# Altium PCB IT_Asset_Tracking_Rack_Controller-H743.PcbDoc (part 3 of 4) (continued)
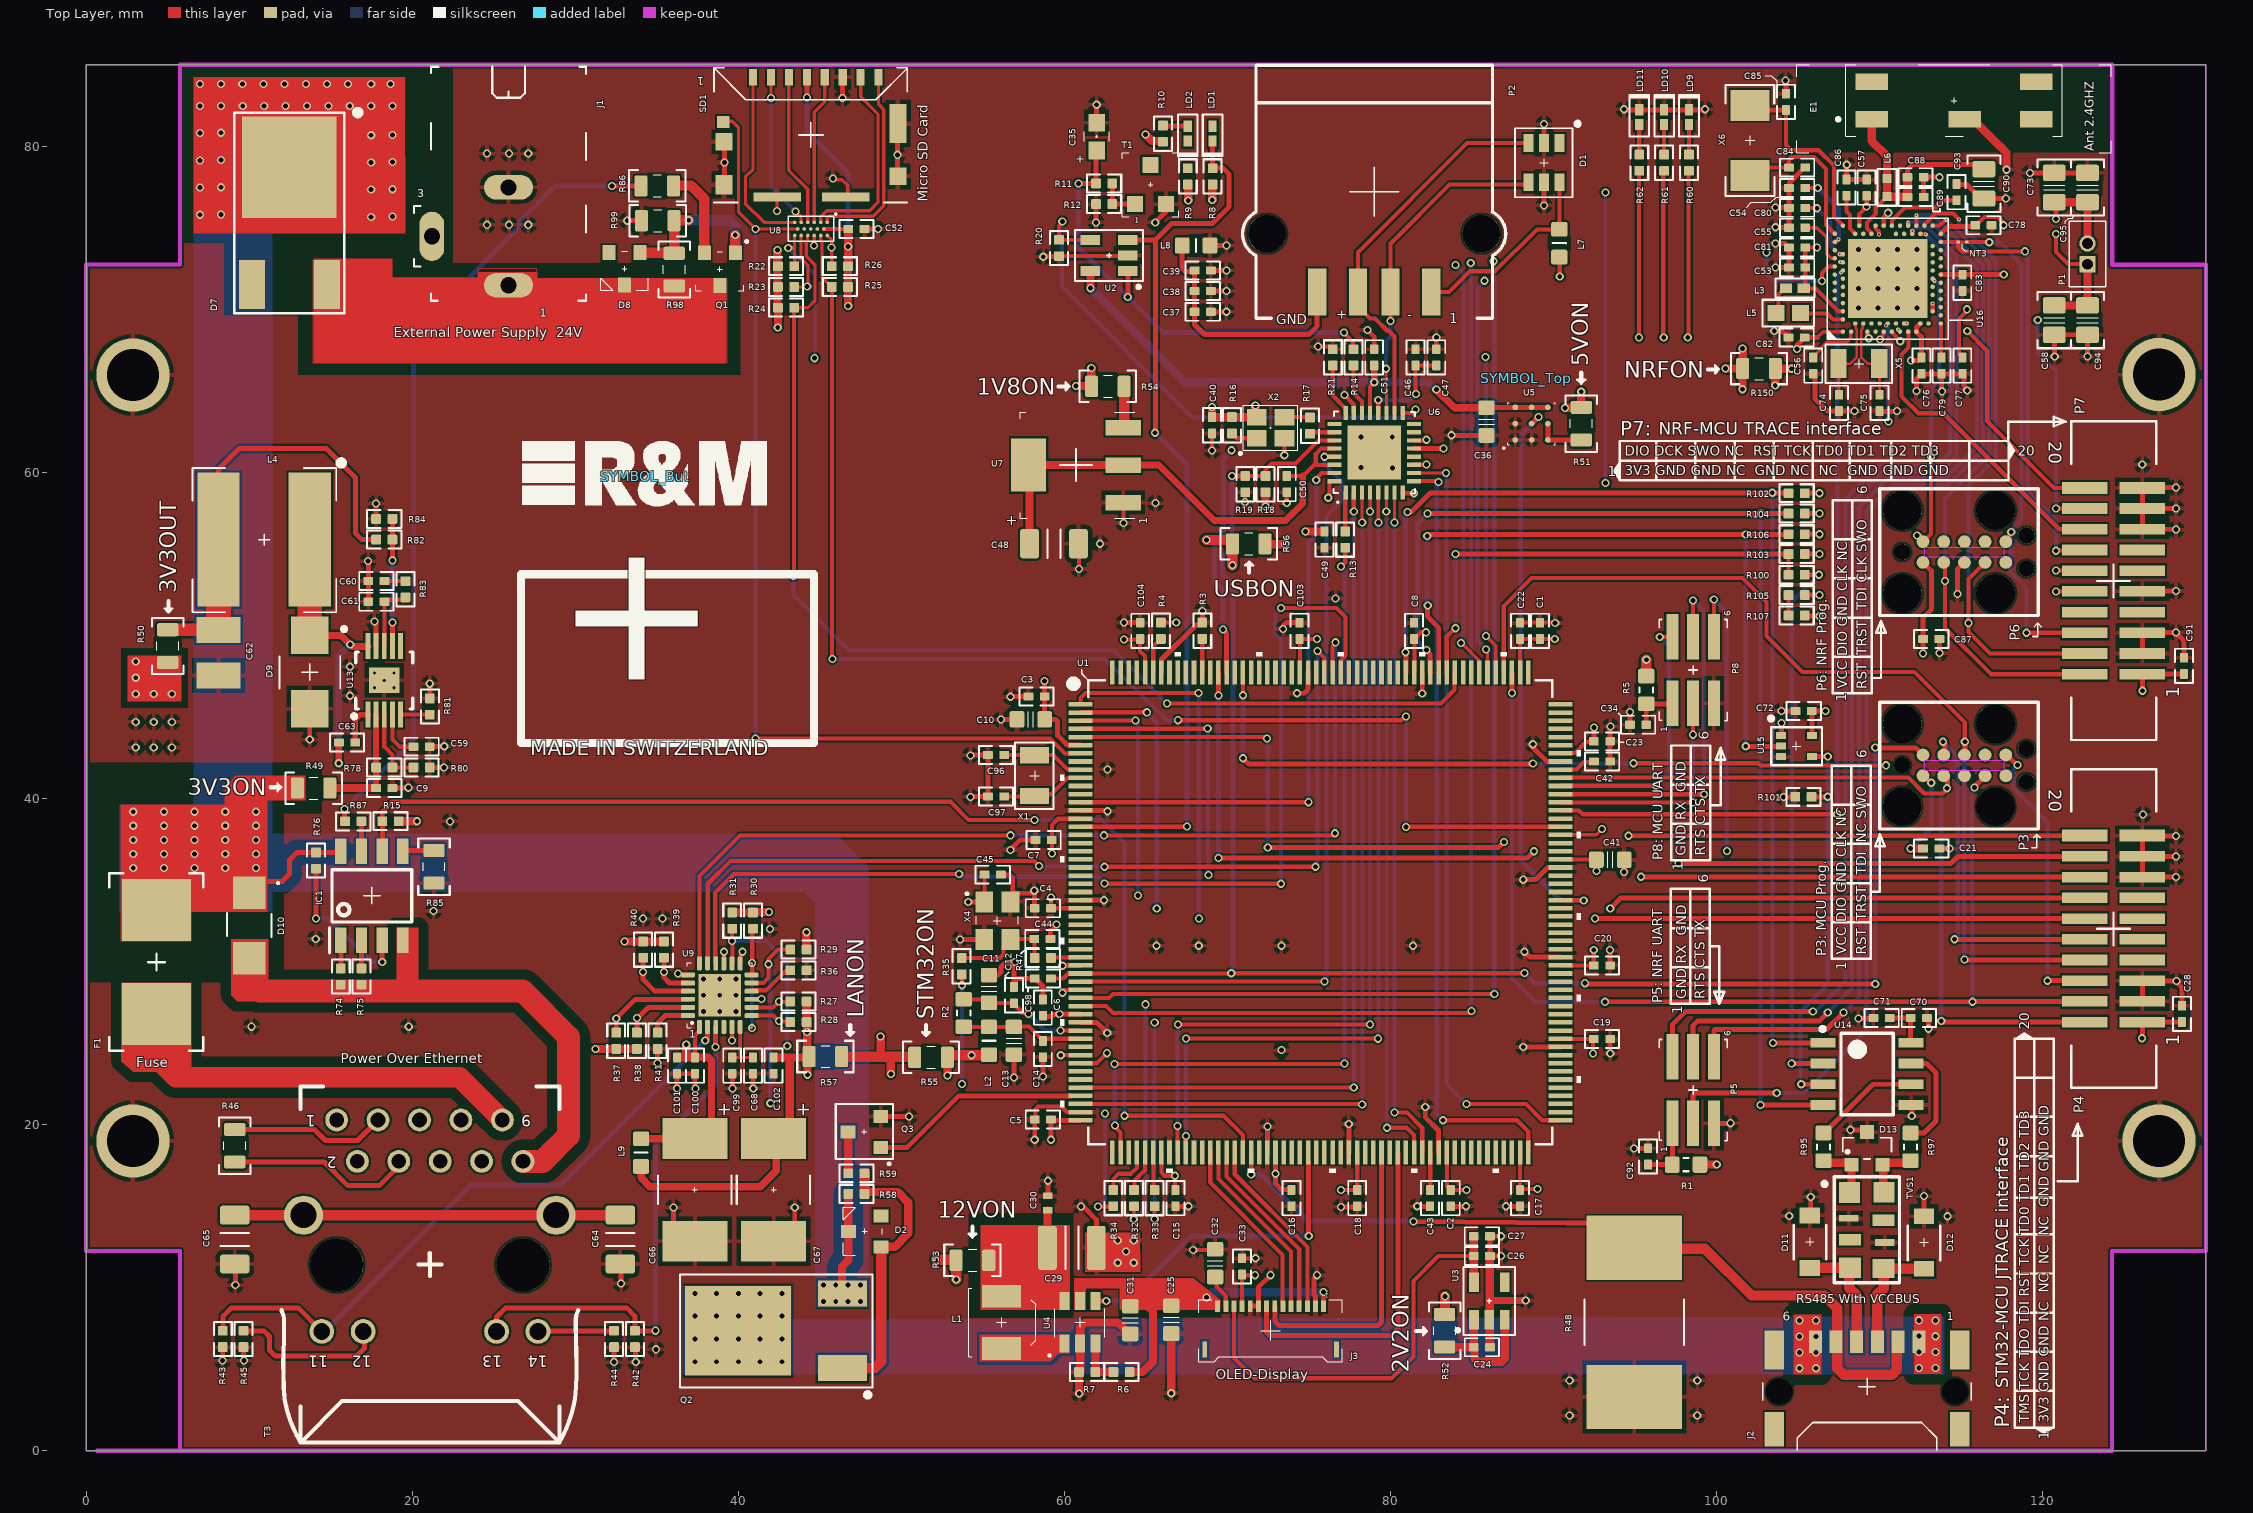
[diagram p0: Top Layer view]
## Nets (pads, with @x,y where several pads share a name; then routed paths per layer and width w, separated by ;. In a path a pad name is that pad's centre, name@x,y a point inside that pad or via, vN(x,y) a via of type N, cw(c..) or ccw(c..) an arc to the next point about the centre after c; other vN are vias at no path point) (continued)
  Top Layer w0.406: 86.204,9.22 v1(88.29,9.22)
  Top Layer w0.508: R7.2@60.892,4.826 60.892,3.523 v1(60.909,3.505) ; R7.2@60.96,4.826 U4.2@60.96,6.574 ; U4.2@60.96,6.604 60.96,7.576 61.258,7.874 63.274,7.874 63.983,7.165 C31.1@64.033,7.165 ; v1(66.548,3.531) C25.1@66.548,7.19 ; U3.2@86.055,7.849 U3.2@86.056,7.85 ; U3.2@86.056,8.045 U3.2@86.056,7.85 ; U3.2@86.077,8.045 U3.2@86.077,7.87 ; U3.2@86.077,8.066 86.077,11.934 86.081,11.938 C26.1@86.098,11.938 ; C24.1@86.098,6.35 86.081,6.35 86.077,6.354 U3.2@86.077,7.87 ; v1(94.31,35.502) v1@94.322,35.514 ; E1.3@115.204,81.654 115.704,81.654 117.323,80.035 117.332,80.035 117.775,79.593 v1(117.775,78.562) ; U3.2@86.056,7.85 U3.2@86.077,7.87
  other v1: 90.983,2.159 98.806,2.159 90.983,4.318 98.806,4.318 34.942,6.223 63.269,11.532 64.247,11.532 63.772,12.229 63.269,12.903 64.247,12.903 86.773,13.157 114.148,14.384 104.445,14.402 112.705,15.621 94.92,18.542 100.838,20.091 73.304,24.57 10.135,26.01 19.787,26.01 128.194,28.804 56.972,29.968 65.634,30.971 68.237,30.971 73.304,30.971 81.382,30.971 14.082,31.394 41.935,31.996 34.163,32.635 35.357,32.635 21.311,33.104 22.327,38.602 126.136,39.014 62.636,41.791 3.048,43.129 4.153,43.129 5.258,43.129 3.048,44.704 4.153,44.704 5.258,44.704 94.682,45.31 16.174,46.304 74.27,46.457 16.174,48.081 76.632,52.273 62.179,55.626 65.583,58.115 80.12,60.274 78.174,60.294 126.098,60.477 78.174,62.172 80.102,62.172 24.587,75.184 25.946,75.184 27.118,75.184 24.587,79.553 25.946,79.553 27.118,79.553 94.31,82.271
  other v2: 108.69,70.082 109.89,70.082 111.09,70.082 112.29,70.082 108.69,71.282 109.89,71.282 111.09,71.282 112.29,71.282 108.69,72.482 109.89,72.482 111.09,72.482 112.29,72.482 108.69,73.682 109.89,73.682 111.09,73.682 112.29,73.682
  other v4: 37.862,26.94 38.862,26.94 39.862,26.94 37.862,27.94 38.862,27.94 39.862,27.94 37.862,28.94 38.862,28.94 39.862,28.94
  other v5: 17.688,46.794 18.888,46.794 18.288,47.244 17.688,47.694 18.888,47.694
input_24V: D7.3 D8.3 J1.1 Q1.3 R98.1 | length 24.1
  Top Layer w0.889: D7.3@14.732,71.535 14.766,71.501 14.808,71.501 14.831,71.478 J1.1@25.908,71.478 Q1.3@38.765,71.478
JTAG_TGT_TCK: P3.4 P4.4 U1.159 | length 68.7
  Top Layer w0.305: U1.159@87.442,47.739 87.447,47.734 v1(87.447,46.482) ; v1(93.142,27.534) 93.147,27.538 v1(115.686,27.538) 115.696,27.549 122.558,27.549 P4.4@122.568,27.559 ; v1(115.799,40.681) 115.799,40.711 116.459,41.372 P3.4@116.459,41.402
  Bottom Layer w0.254: v1(87.447,46.482) 87.448,46.481 87.448,28.96 88.875,27.534 v1(93.142,27.534) ; 115.642,40.472 115.642,34.087 115.693,34.037 115.693,27.545 v1(115.686,27.538) ; v1@115.642,40.525 v1(115.799,40.681)
  Bottom Layer w0.305: 115.642,40.472 v1@115.642,40.525
JTAG_TGT_TDI: P3.6 P4.6 U1.192 | length 71.5
  Top Layer w0.254: v1@70.942,46.38 U1.192@70.942,47.714 ; v1(88.722,42.139) v1@88.748,42.113 ; v1(94.894,42.164) 102.569,42.164 102.696,42.037 v1(110.388,42.037)
  Top Layer w0.305: v1(70.942,42.469) 71.298,42.113 v1@88.748,42.113 ; v1(70.942,46.334) v1@70.942,46.38 ; P3.6@117.729,42.672 117.78,42.672 118.389,42.062 v1(118.44,42.062) ; v1(120.294,28.829) P4.6@122.568,28.829
  MidLayer2 w0.254: v1(110.388,42.037) 110.388,42.443 110.896,42.951 111.938,42.951 112.827,42.062 v1(118.44,42.062)
  Bottom Layer w0.254: v1(88.722,42.139) 94.869,42.139 v1(94.894,42.164) ; v1@118.374,42.062 118.374,41.968 118.135,41.729 118.135,40.709 120.294,38.55 v1(120.294,28.829)
  Bottom Layer w0.305: v1(70.942,42.469) v1(70.942,46.334)
JTAG_TGT_TDO: P3.8 P4.8 U1.160 | length 60.5
  Top Layer w0.254: U1.160@86.942,47.739 86.942,51.814 88.646,53.518 101.575,53.518 103.048,52.045 103.048,49.962 105.258,47.752 112.116,47.752 115.214,44.653 v1(115.214,43.484)
  Top Layer w0.305: v1(115.189,30.124) 115.202,30.112 122.555,30.112 P4.8@122.568,30.099 ; P3.8@115.189,42.672 115.214,42.697 v1(115.214,43.484)
  Bottom Layer w0.254: v1@115.176,30.277 115.176,43.446 v1(115.214,43.484)
JTAG_TGT_TMS: P3.2 P4.2 U1.147 | length 48.6
  Top Layer w0.203: U1.147@90.419,41.27 U1.147@90.42,41.271
  Top Layer w0.254: U1.147@90.42,41.271 90.435,41.285 111.75,41.285 112.725,40.31 113.87,40.31 114.122,40.562 v1(114.122,40.629)
  Top Layer w0.305: v1(113.771,26.365) 113.847,26.289 120.752,26.289 ; v1(114.122,40.629) 114.16,40.666 114.16,41.433 113.95,41.433 P3.2@113.919,41.402 ; 120.802,26.289 P4.2@122.563,26.289 ; P3.2@113.919,41.402 113.898,41.381 113.919,41.36 P3.2@113.919,41.402
  Bottom Layer w0.254: v1(113.771,26.365) 113.771,40.277 v1(114.122,40.629)
LED9: R60.2 U16.G1 | length 21.9
  Top Layer w0.254: v1(98.222,68.275) 98.26,68.313 98.26,78.456 R60.2@98.298,78.494 ; U16.G1@109.24,68.632 109.244,68.628 109.244,68.277 109.296,68.224 v1(109.322,68.224)
  MidLayer2 w0.254: v1(98.222,68.275) 98.395,68.102 109.133,68.102 109.255,68.224 v1(109.322,68.224)
LED10: R61.2 U16.L1 | length 25
  Top Layer w0.254: v1@96.761,68.25 96.723,68.288 96.723,78.443 R61.2@96.774,78.494 ; v1(110.007,68.148) 110.007,68.199 110.236,68.428 110.236,68.628 U16.L1@110.24,68.632
  MidLayer2 w0.254: v1@96.749,68.047 97.735,67.06 108.919,67.06 v1(110.007,68.148)
  other v1: 96.749,68.275
LED11: R62.2 U16.N1 | length 28.9
  Top Layer w0.254: v1@95.225,68.288 95.225,78.469 R62.2@95.25,78.494 ; U16.N1@110.74,68.626 U16.N1@110.74,68.632 110.744,68.628 110.744,68.574 111.252,68.066 v1(111.252,68.047)
  MidLayer2 w0.254: v1@95.199,68.072 97.405,65.866 100.742,65.866 100.758,65.85 109.056,65.85 v1(111.252,68.047)
  other v1: 95.225,68.275
LED_G_A: R42.1 T3.13 U9.3 | length 32.1
  Top Layer w0.305: T3.13@25.172,7.32 25.172,8.205 25.73,8.763 33.147,8.763 33.655,8.255 R42.1@33.655,7.358 34.917,7.358 v1(34.925,7.366) ; v1(38.608,24.765) 38.61,24.767 38.61,25.988 U9.3@38.612,25.99
  Bottom Layer w0.305: v1(34.925,7.366) 34.925,18.771 38.608,22.454 v1(38.608,24.765)
LED_G_K: R44.1 T3.14 | length 4.8
  Top Layer w0.305: T3.14@27.712,7.32 27.731,7.339 32.366,7.339 32.385,7.358 R44.1@32.512,7.358
LED_Y_A: R43.1 T3.11 U9.2 | length 39.6
  Top Layer w0.305: R43.1@8.382,7.358 8.407,7.383 8.407,8.255 8.915,8.763 13.009,8.763 T3.11@14.452,7.32 ; v1(37.973,25.171) 37.973,25.224 38.11,25.361 38.11,25.988 U9.2@38.112,25.99
  Bottom Layer w0.305: T3.11@14.452,7.32 14.61,7.32 23.597,16.307 29.108,16.307 v1(37.973,25.171)
LED_Y_K: R45.1 T3.12 | length 9.8
  Top Layer w0.305: R45.1@9.652,7.358 10.905,7.358 11.252,7.01 11.252,6.172 11.608,5.817 16.612,5.817 17.069,6.274 17.069,7.243 T3.12@16.992,7.32
NetC24_2: C24.2 R52.2 U3.1 U3.3 | length 8.6
  Top Layer w0.508: R52.2@83.312,6.366 83.324,6.354 C24.2@85.094,6.354 ; C24.2@85.098,6.35 C24.2@85.094,6.354 ; U3.1@85.106,8.045 C24.2@85.106,6.354 ; U3.3@87.006,8.045 87.006,5.668 86.799,5.461 85.349,5.461 85.144,5.666 85.144,6.346 85.136,6.354 C24.2@85.106,6.354 ; C24.2@85.094,6.354 C24.2@85.106,6.354
NetC29_2: C29.2 C30.1 L1.1 R53.2 U4.6 | length 2.6
  Top Layer w0.508: C29.2@58.928,12.192 58.965,12.229 58.965,14.726 C30.1@58.979,14.739
NetC32_2: C32.2 J3.13 | length 2.2
  Top Layer w0.254: C32.2@69.24,10.656 69.317,10.58 69.317,10.058 69.894,9.481 J3.13@69.894,9.066 ; J3.13@69.894,8.866 J3.13@69.894,9.066 ; J3.13@69.901,8.941 69.901,9.059 J3.13@69.894,9.066
NetC34_2: C34.2 P8.1 R5.2 | length 2.9
  Top Layer w0.254: C34.2@95.682,44.526 R5.2@95.682,45.81
  Top Layer w0.305: R5.2@95.682,45.81 P8.1@97.282,45.81
NetC35_1: C35.1 L7.1 R11.1 R14.2 U2.1 | length 44.2
  Top Layer w0.254: v1(77.14,68.591) 77.14,68.555 77.699,67.996 77.699,67.581 R14.2@77.724,67.556 ; L7.1@90.348,73.206 90.322,73.181 90.373,73.13 v1(90.373,72.017)
  Top Layer w0.305: v1(60.858,77.724) R11.1@61.933,77.724 61.933,79.701 C35.1@61.976,79.744 ; v1(63.881,70.764) 63.888,70.771 U2.1@63.888,72.355
  MidLayer2 w0.254: v1(77.14,68.591) 78.853,70.304 88.66,70.304 v1(90.373,72.017)
  Bottom Layer w0.305: v1(60.858,77.724) 60.858,73.787 v1(63.881,70.764) 66.055,68.591 v1(77.14,68.591)
NetC37_2: C37.2 C38.2 C39.2 L8.2 P2.4 | length 15.7
  Top Layer w0.305: L8.2@67.222,73.914 67.222,72.492 67.401,72.314 67.902,72.314 C39.2@67.978,72.39 C38.2@67.978,71.12 C37.2@67.978,69.85 67.978,69.059 68.584,68.453 74.981,68.453 75.494,68.966 P2.4@75.494,71.056
NetC42_2: C42.2 U1.148 | length 2.3
  Top Layer w0.254: U1.148@90.411,41.77 90.423,41.782 91.413,41.782 91.871,42.24 92.446,42.24 C42.2@92.472,42.266
NetC43_2: C43.2 U1.92 | length 2.3
  Top Layer w0.254: C43.2@82.423,15.994 82.432,16.003 82.432,18.272 U1.92@82.448,18.288
NetC44_2: C44.2 R35.1 R47.2 X4.3 | length 6.4
  Top Layer w0.254: R35.1@53.696,30.218 53.713,30.218 53.721,30.226 56.058,30.226 56.257,30.425 56.257,30.939 X4.3@56.68,31.362 ; X4.3@56.718,31.369 56.744,31.394 C44.2@58.149,31.394 ; C44.2@58.141,31.42 58.161,31.399 58.161,30.239 R47.2@58.174,30.226
NetC45_2: C45.2 U1.33 X4.1 | length 11.2
  Top Layer w0.254: X4.1@55.093,33.655 55.101,33.663 C45.2@55.101,35.331
  Top Layer w0.305: v1(54.102,33.663) 55.085,33.663 X4.1@55.093,33.655 ; v1(59.868,29.743) 59.894,29.77 U1.33@60.973,29.77
  MidLayer2 w0.305: v1(54.102,33.663) 54.11,33.655 55.956,33.655 v1(59.868,29.743)
NetC46_2: C46.2 C47.2 U6.20 | length 6.3
  Top Layer w0.254: U6.20@79.244,63.649 79.246,63.651 v1(79.246,64.438) ; v1(81.555,64.808) 81.534,64.829 C46.2@81.534,66.556 C47.2@82.804,66.556
  Bottom Layer w0.254: v1(79.246,64.438) 81.202,64.438 81.555,64.791 v1(81.555,64.808)
NetC55_2: C55.2 U16.A18 | length 3.2
  Top Layer w0.203: C55.2@105.427,75.006 106.147,75.006 106.741,74.411 106.741,73.421 107.03,73.132 U16.A18@107.24,73.132
NetC60_2: C60.2 R83.2 | length 1.3
  Top Layer w0.254: C60.2@18.305,53.34 18.309,53.336 19.579,53.336 R83.2@19.583,53.332
NetC64_2: C64.2 C65.2 T3.Shield | length 23.5
  Top Layer w0.635: C65.2@9.264,14.454 9.266,14.452 13.335,14.452 T3.Shield@13.337,14.45 T3.Shield@28.827,14.45 28.829,14.452 32.764,14.452 C64.2@32.766,14.454
NetC66_1: C66.1 C100.2 C101.2 L9.1 U9.1 U9.19 | length 13.7
  Top Layer w0.254: C66.1@37.324,19.138 C66.1@37.338,19.152 C66.1@38.354,20.168 ; C100.2@37.338,24.122 37.338,25.476 37.589,25.727 37.589,25.967 U9.1@37.612,25.99
  Top Layer w0.305: v1(36.297,29.265) 36.369,29.192 36.91,29.192 U9.19@36.912,29.19
  Top Layer w0.457: L9.1@34.036,19.138 C66.1@37.324,19.138 ; 37.589,24.122 38.164,24.122 38.354,23.932 C66.1@38.354,20.168
  Top Layer w0.508: C101.2@36.449,24.122 36.83,24.122 ; v1(36.809,24.905) 36.809,24.143 36.83,24.122 ; C100.2@37.338,24.122 36.83,24.122
NetC68_2: C68.2 C99.2 U9.6 | length 3.1
  Top Layer w0.203: C99.2@39.624,24.122 40.112,24.122 ; U9.6@40.112,25.99 40.112,24.122 ; C68.2@40.894,24.122 40.112,24.122
NetC77_2: C77.2 U16.AC5 | length 6
  Top Layer w0.254: U16.AC5@113.24,69.882 113.244,69.886 v3(113.244,70.358) ; C77.2@115.062,67.048 114.863,67.247 114.863,69.418 115.341,69.897 v1(115.341,70.002)
  MidLayer2 w0.254: v3(113.244,70.358) 114.986,70.358 v1(115.341,70.002)
NetC79_2: C79.2 U16.AD2 | length 2.1
  Top Layer w0.254: U16.AD2@113.74,69.132 113.744,69.128 113.744,67.096 C79.2@113.792,67.048
NetC80_1: C80.1 U16.B19 | length 4.3
  Top Layer w0.254: C80.1@105.427,76.225 106.07,76.225 106.096,76.2 v1(106.147,76.2) ; v3(107.544,73.381) U16.B19@107.74,73.382
  Bottom Layer w0.254: v1(106.147,76.2) 106.934,75.413 106.934,73.965 107.518,73.381 v3(107.544,73.381)
NetC92_2: C92.2 P5.1 R1.2 | length 4
  Top Layer w0.305: C92.2@95.783,17.551 R1.2@97.27,17.551 97.282,17.563 P5.1@97.282,20.091
NetC93_2: C93.2 U16.N24 | length 4.8
  Top Layer w0.254: U16.N24@110.74,75.132 110.744,75.136 110.744,75.436 111.558,76.251 113.436,76.251 113.876,76.691 C93.2@114.706,76.691
NetC96_2: C96.2 U1.9 X1.1 | length 5
  Top Layer w0.254: C96.2@56.304,42.672 59.309,42.672 60.198,41.783 60.96,41.783 U1.9@60.973,41.77
NetC97_2: C97.2 U1.10 X1.2 | length 5.2
  Top Layer w0.254: C97.2@56.278,40.132 C97.2@56.304,40.132 58.146,40.132 X1.2@58.166,40.152 58.273,40.259 59.182,40.259 60.18,41.257 60.96,41.257 U1.10@60.973,41.27
NetD1_6: D1.6 L7.2 P2.1 | length 12.3
  Top Layer w0.254: P2.1@82.494,71.056 83.578,71.056 84.862,72.34 86.413,72.34 88.979,74.906 L7.2@90.348,74.906 90.358,74.916 D1.6@90.358,77.794
NetD2_1: D2.1 Q2.1 R58.2 R59.1 | length 17.8
  Top Layer w0.508: R58.2@47.871,15.875 49.784,15.875 50.419,15.24 50.419,13.335 49.596,12.512 D2.1@48.752,12.512
  Top Layer w0.635: Q2.1@46.38,5.081 Q2.1@46.38,5.081 48.396,5.08 48.768,5.452 48.768,12.496 D2.1@48.752,12.512 ; R59.1@47.744,17.018 R58.2@47.744,15.748 R58.2@47.871,15.875
NetD8_1: D8.1 Q1.1 R98.2 R99.1 | length 9.7
  Top Layer w0.635: D8.1@33.97,73.492 33.995,73.466 36.043,73.466 R98.2@36.06,73.449 ; R98.2@36.068,73.441 R98.2@36.06,73.449 ; v1(36.957,75.463) 36.077,75.463 R99.1@36.052,75.438 36.06,75.43 R98.2@36.06,73.449 ; Q1.1@39.812,73.466 v1(39.812,74.549)
  Bottom Layer w0.635: v1(36.957,75.463) 39.44,75.463 39.812,75.091 v1(39.812,74.549)
NetD13_1: D13.1 R95.1 TVS1.1 | length 3.6
  Top Layer w0.508: R95.1@106.553,17.794 106.679,17.668 108.144,17.668 D13.1@108.27,17.542 108.27,15.979 TVS1.1@108.14,15.849
NetD13_2: D13.2 R97.1 TVS1.8 | length 3.5
  Top Layer w0.508: TVS1.8@110.265,15.862 110.217,15.909 110.217,17.495 D13.2@110.17,17.542 110.296,17.668 111.761,17.668 R97.1@111.887,17.794
NetIC1_1: IC1.1 R74.1 | length 1.7
  Top Layer w0.305: R74.1@15.621,29.583 IC1.1@15.621,31.311
NetIC1_2: IC1.2 R75.1 | length 1.7
  Top Layer w0.305: R75.1@16.891,29.583 IC1.2@16.891,31.311
NetIC1_5: IC1.5 R85.1 | length 1.9
  Top Layer w0.305: IC1.5@19.431,36.761 19.484,36.814 R85.1@21.336,36.814
NetL1_2: L1.2 U4.1
NetL3_2: L3.2 L5.1 | length 1.8
  Top Layer w0.254: L5.1@103.644,69.774 103.784,69.914 103.784,70.916 104.167,71.298 L3.2@104.242,71.298
NetL5_2: L5.2 U16.B3 | length 2.8
  Top Layer w0.254: L5.2@105.144,69.774 105.169,69.748 106.776,69.748 107.143,69.382 U16.B3@107.74,69.382
NetLD2_2: LD2.2 R10.2 | length 1.5
  Top Layer w0.305: R10.2@66.04,81.272 66.065,81.247 67.539,81.247 LD2.2@67.564,81.222
NetLD9_2: LD9.2 R60.1 | length 1.8
  Top Layer w0.254: R60.1@98.298,79.494 LD9.2@98.298,81.338
NetLD10_2: LD10.2 R61.1 | length 1.8
  Top Layer w0.254: R61.1@96.774,79.494 LD10.2@96.774,81.338
NetLD11_2: LD11.2 R62.1 | length 1.8
  Top Layer w0.254: R62.1@95.25,79.494 LD11.2@95.25,81.338
NetQ1_2: Q1.2 R86.1 | length 5.5
  Top Layer w0.635: R86.1@36.027,77.572 36.052,77.597 37.084,77.597 37.912,76.769 Q1.2@37.912,73.466
NetQ3_3: Q3.3 R59.2 | length 2.5
  Top Layer w0.508: Q3.3@46.727,19.558 46.735,19.549 46.735,17.027 R59.2@46.744,17.018
NetR3_1: R3.1 U1.197 | length 2.1
  Top Layer w0.254: U1.197@68.428,47.727 68.453,47.752 R3.1@68.453,49.792
NetR4_2: R4.2 U1.203 | length 2.2
  Top Layer w0.254: U1.203@65.442,47.739 65.442,49.321 R4.2@65.913,49.792
NetR6_2: R6.2 R7.1 U4.3 | length 2.9
  Top Layer w0.508: U4.3@61.91,6.574 61.901,6.565 61.901,4.835 R7.1@61.892,4.826 R6.2@63,4.826
NetR11_2: R11.2 R12.1 T1.1 | length 2.7
  Top Layer w0.305: R11.2@62.933,77.724 R12.1@62.933,76.454 64.326,76.454 T1.1@64.328,76.456
NetR13_2: R13.2 U6.1 | length 2.4
  Top Layer w0.254: R13.2@77.216,56.38 77.216,58.751 U6.1@77.244,58.779
NetR14_1: R14.1 U6.22 | length 3.1
  Top Layer w0.254: R14.1@77.724,66.556 77.724,64.883 78.247,64.36 78.247,63.652 U6.22@78.244,63.649
NetR16_2: R16.2 X2.1 | length 1.6
  Top Layer w0.254: R16.2@70.273,62.39 70.565,62.098 71.784,62.098 X2.1@71.794,62.088
NetR17_2: R17.2 U6.26 | length 1.6
  Top Layer w0.254: R17.2@75.184,62.238 75.184,62.436 75.212,62.464 U6.26@76.559,62.464
NetR20_1: R20.1 U2.4 U6.17 | length 33.2
  Top Layer w0.254: v1(59.868,75.387) 59.868,75.321 59.665,75.117 R20.1@59.665,74.262 59.668,74.259 61.585,74.259 U2.4@61.588,74.255 ; U6.17@80.744,63.649 81.327,63.649 v1(81.534,63.856)
  Bottom Layer w0.254: v1(59.868,75.387) 59.842,75.362 59.842,71.399 67.869,63.373 81.051,63.373 v1(81.534,63.856)
NetR21_1: R21.1 U6.24 | length 3.2
  Top Layer w0.254: R21.1@76.454,66.556 76.454,64.719 77.244,63.929 U6.24@77.244,63.649
NetR27_2: R27.2 R32.2 U9.8 | length 39.4
  Top Layer w0.254: U9.8@40.812,27.19 40.82,27.182 42.117,27.182 v1(42.494,27.559) 42.52,27.533 43.162,27.533 R27.2@43.188,27.559 ; v1(64.247,14.199) 64.254,14.206 64.254,14.986 R32.2@64.262,14.994
  MidLayer2 w0.254: v1(42.494,27.559) 64.795,27.559 v1(64.973,27.381)
  Bottom Layer w0.254: v1(64.247,14.199) 64.973,14.925 v1(64.973,27.381)
NetR28_2: R28.2 R33.2 U9.7 | length 38.3
  Top Layer w0.254: U9.7@40.812,26.69 42.138,26.69 v1@42.377,26.451 ; v1@42.507,26.321 43.156,26.321 R28.2@43.188,26.289 ; v1(65.532,14.224) R33.2@65.532,14.994
  MidLayer2 w0.254: v1(42.494,26.365) 42.566,26.293 65.509,26.293 v1(65.532,26.27)
  Bottom Layer w0.254: v1(65.532,14.224) v1(65.532,26.27)
NetR29_2: R29.2 R34.2 U9.11 | length 40.1
  Top Layer w0.254: U9.11@40.812,28.69 41.533,28.69 41.859,29.016 v1(41.859,29.839) 41.859,30.153 42.44,30.734 R29.2@43.188,30.734 ; v1(62.052,14.986) 62.056,14.99 62.988,14.99 R34.2@62.992,14.994
  MidLayer2 w0.254: v1(41.961,21.311) 42.265,21.007 62.305,21.007 62.484,20.828 v1(62.484,20.676)
  Bottom Layer w0.254: v1(41.859,29.839) 41.961,29.737 v1(41.961,21.311) ; v1(62.052,14.986) 62.484,15.418 v1(62.484,20.676)
NetR41_1: R41.1 U9.24 | length 2.6
  Top Layer w0.305: R41.1@35.052,25.646 35.052,26.238 35.504,26.69 U9.24@36.912,26.69
NetR46_1: R46.1 T3.4 | length 11.5
  Top Layer w0.305: R46.1@9.117,17.707 14.601,17.707 16.053,16.256 17.98,16.256 19.177,17.454 T3.4@19.177,17.75
NetR46_2: R46.2 T3.3 | length 9.6
  Top Layer w0.305: R46.2@9.117,19.707 13.998,19.707 14.681,19.025 16.642,19.025 T3.3@17.907,20.29
NetR47_1: R47.1 U1.32 | length 1.8
  Top Layer w0.254: R47.1@59.182,30.277 59.201,30.257 60.96,30.257 U1.32@60.973,30.27
NetR51_2: R51.2 U5.C1 U5.C2 | length 3
  Top Layer w0.305: U5.C2@89.647,62.992 U5.C1@89.647,61.992 R51.2@91.694,61.992
NetR54_2: R54.2 U7.3 | length 2.5
  Top Layer w0.635: U7.3@63.606,62.752 63.662,62.808 R54.2@63.662,65.278
NetR86_2: R86.2 R87.1 | length 49.6
  Top Layer w0.305: v1(15.844,39.355) 15.854,39.345 15.854,38.631 R87.1@15.883,38.602 ; v1(32.258,77.572) R86.2@34.027,77.572
  Bottom Layer w0.305: v1(15.844,39.355) 20.066,43.576 20.066,68.529 25.12,73.583 25.12,73.609 26.588,75.078 26.588,75.403 28.757,77.572 v1(32.258,77.572)
NetR95_2: R95.2 U14.6 | length 6.6
  Top Layer w0.254: R95.2@106.553,19.494 R95.2@106.603,19.494
  Top Layer w0.305: R95.2@106.603,19.494 109.588,22.479 U14.6@111.92,22.479
NetR97_2: R97.2 U14.7 | length 6.6
  Top Layer w0.305: R97.2@111.887,19.494 112.712,19.494 113.445,20.227 113.445,23.182 112.878,23.749 U14.7@111.92,23.749
NetR107_1: R107.1 U15.1 | length 9.1
  Top Layer w0.305: U15.1@103.942,43.87 103.962,43.891 v1(103.962,44.628) ; R107.1@105.453,51.181 v1(106.299,51.181)
  MidLayer2 w0.254: v1(103.962,44.628) 103.962,44.648 106.299,46.985 v1(106.299,51.181)
NetSD1_1: SD1.1 U8.O6 | length 11.4
  Top Layer w0.203: SD1.1@40.9,84.226 40.9,78.594 40.437,78.13 40.437,76.478 41.585,75.33 U8.O6@43.45,75.33
NetSD1_2: SD1.2 U8.O5 | length 9.7
  Top Layer w0.203: v1(42,82.956) SD1.2@42,84.226 ; v1(43.51,75.997) 43.536,75.997 43.847,75.686 43.847,75.333 U8.O5@43.85,75.33
  Bottom Layer w0.203: v1(42,82.956) 42,77.507 v1(43.51,75.997)
NetSD1_3: SD1.3 U8.O4 | length 9.4
  Top Layer w0.203: SD1.3@43.1,84.226 43.1,78.515 44.25,77.365 U8.O4@44.25,75.33
NetSD1_5: SD1.5 U8.O3 | length 9.2
  Top Layer w0.203: U8.O3@44.65,75.33 44.65,82.09 45.3,82.74 SD1.5@45.3,84.226
NetSD1_7: SD1.7 U8.O2 | length 12.3
  Top Layer w0.203: U8.O2@45.05,75.33 45.053,75.333 45.053,75.666 45.435,76.048 48.057,76.048 48.565,76.556 48.565,81.966 47.5,83.03 SD1.7@47.5,84.226
NetSD1_8: SD1.8 U8.O1 | length 12
  Top Layer w0.203: U8.O1@45.45,75.33 45.453,75.333 45.453,75.587 45.583,75.717 48.285,75.717 48.92,76.352 48.92,82.245 48.6,82.565 SD1.8@48.6,84.226
NFC1: C73.2 C95.2 P1.2 U16.L24 | length 17.2
  Top Layer w0.254: U16.L24@110.24,75.132 110.244,75.136 110.244,75.649 v1(110.515,75.921)
  Top Layer w0.305: C73.2@120.701,76.57 120.802,76.468 v1(120.802,75.539)
  Top Layer w0.508: C73.2@120.701,76.57 C95.2@122.733,76.57 122.734,76.568 122.734,74.043 P1.2@122.736,74.041
  MidLayer2 w0.254: v1(110.515,75.921) 110.515,75.946 110.717,76.147 120.194,76.147 v1(120.802,75.539)